# KiCad board GDI-4ch.kicad_pcb (continued)
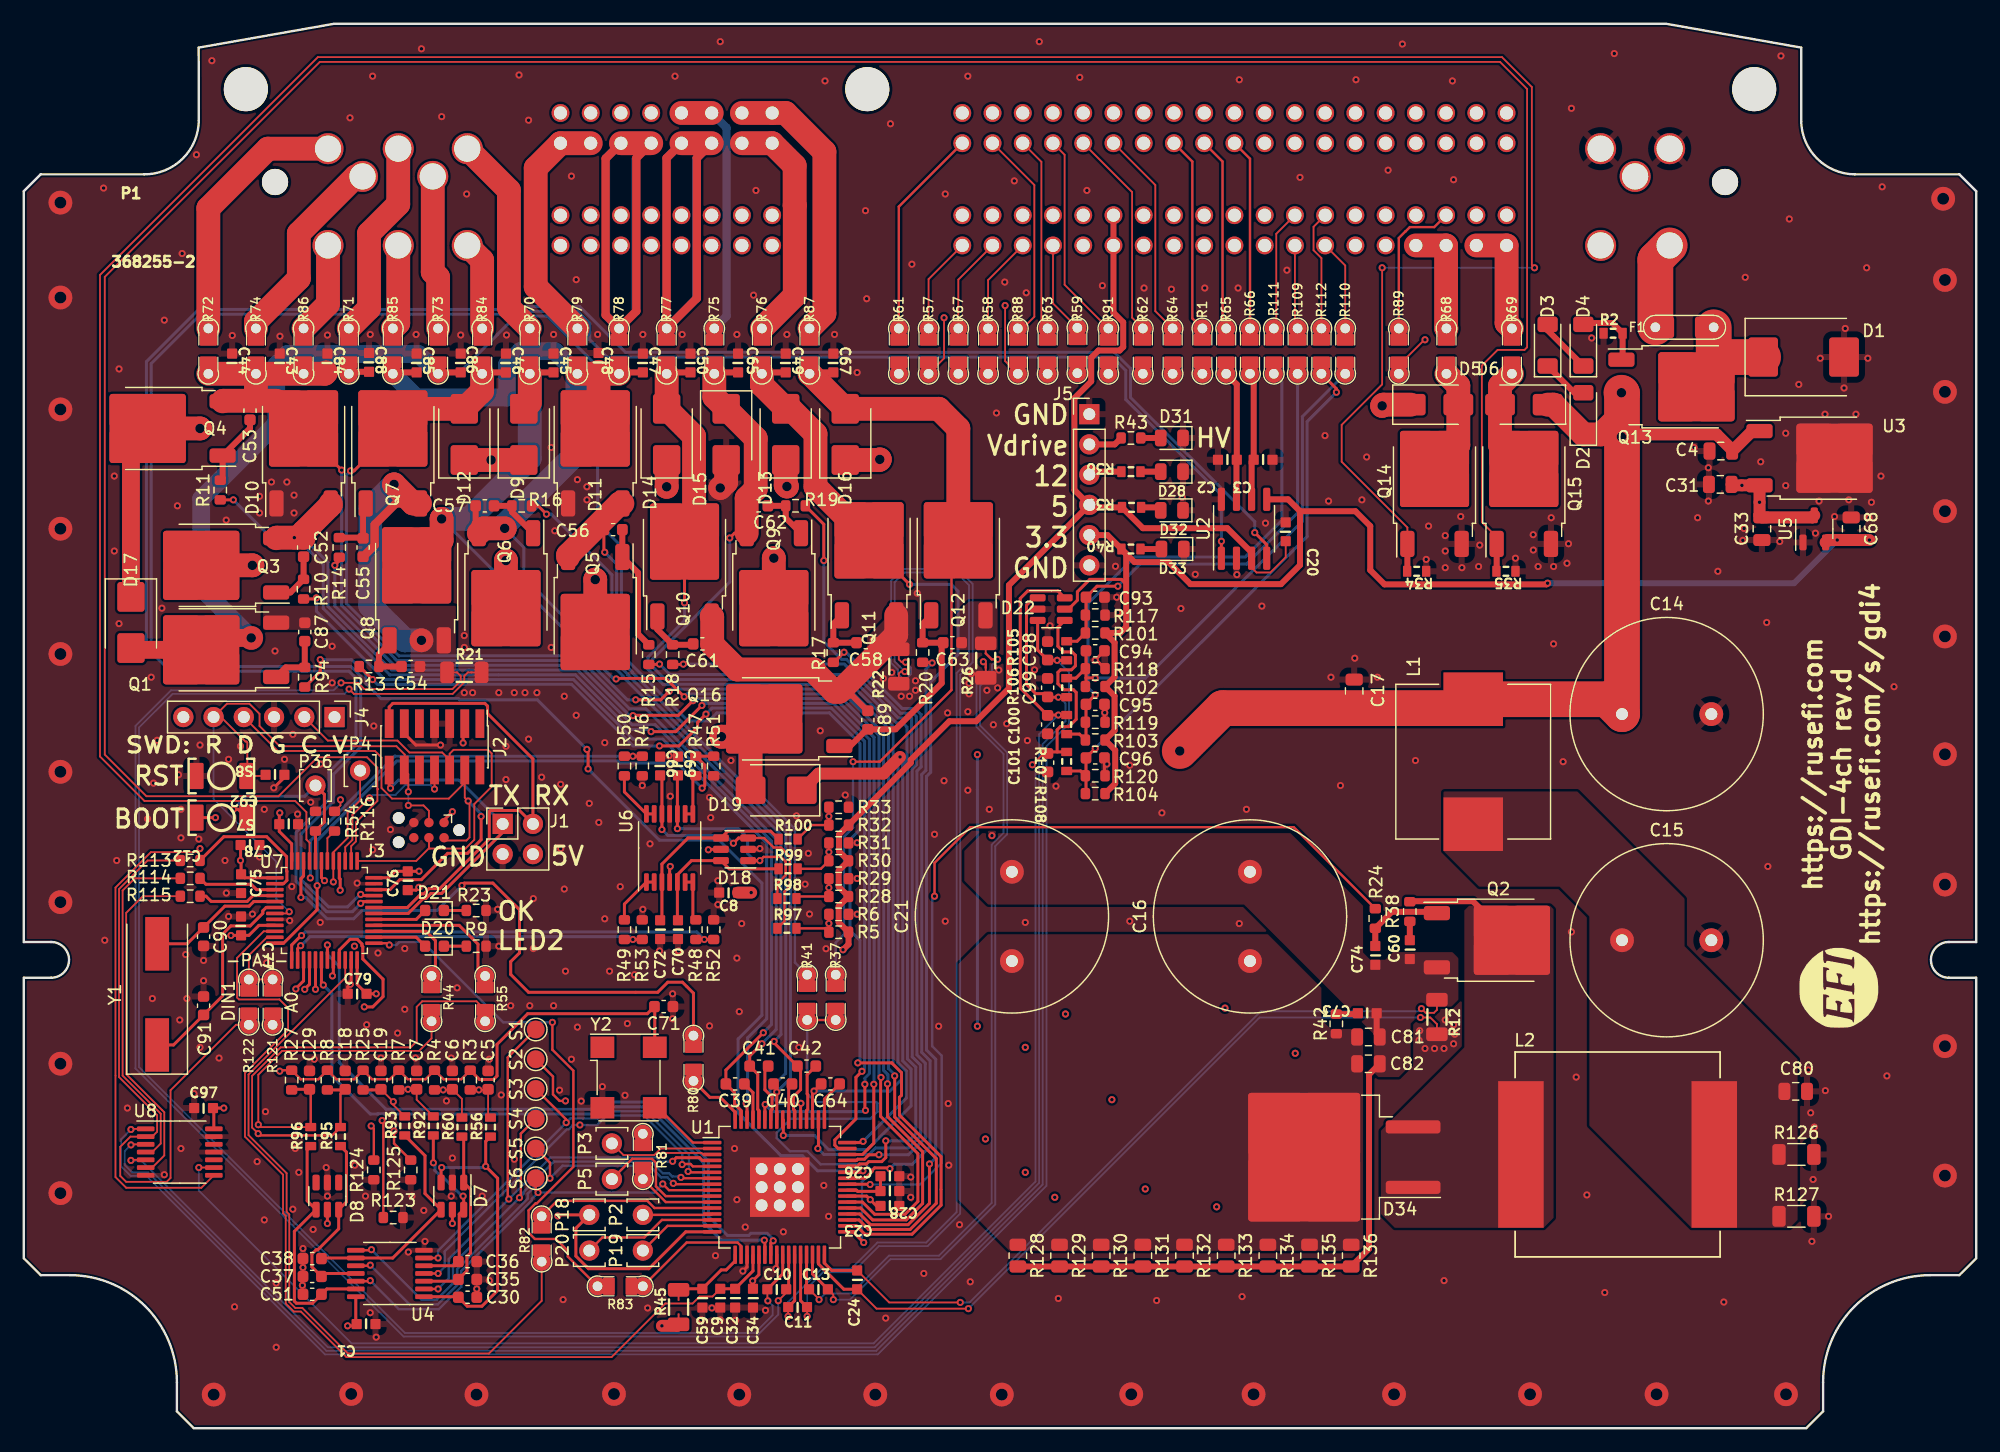
[diagram p0: board, top side]
## Routing (per net, layer and track width the routed paths; a pad name or vN(x,y) marks a point on that pad's centre or on a via; arc(x,y) is an arc through that point) (continued)
/SWO: length 13.8
  Top w0.15: U7.39 27,48.83 27.6,49.43 27.6,51.52 v1(29.04,52.96) ; J2.8 v1(34.5,53.7)
  Bottom w0.15: v1(34.5,53.7) 34.15,54.05 32.06,54.05 31.21,53.2 29.28,53.2 v1(29.04,52.96)
/UART_RX: length 39.9
  Top w0.25: U7.31 32.22,43.75 33.37,44.9 33.6,44.9 34.03,45.33 34.93,45.33 39.1,49.5 39.1,51.8 39.2,51.9 41.64,51.9 J1.2 42.77,56.24 38.95,60.05 38.95,60.67 38.73,60.9 31,60.9 30.69,60.59 J2.13
/UART_TX: length 27.1
  Top w0.25: J2.14 30.69,53.88 v1(30.8,53.77) ; J1.1 40.22,50.06 35.1,44.93 34.2,44.93 33.77,44.5 33.54,44.5 32.29,43.25 U7.30
  Bottom w0.25: v1(30.8,53.77) 31.47,54.45 36.55,54.45 J1.1
/Vdrive_coil: length 10
  Top w0.5: Q2.2 121.72,44.28 116.47,44.28 R38.2
/Vdrive_shunt: length 48.1
  Top w0.5: C82.2 113,29.72 113,15.09 R136.2 R128.2 ; C73.1 113.64,33.13 C81.2
/VSENSE1: length 27
  Top w0.7: C55.1 29.47,74.2 29.47,75.92 31.25,77.7 Q7.3
  Top w2: v3(31.1,79.3) 32.7,77.7 Q7.3
  Bottom w2: v3(33.4,66.2) 32.01,66.2 29.1,69.11 29.1,77.3 v3(31.1,79.3)
/VSENSE2: length 25.9
  Top w0.5: Q16.3 69.26,61.88 70.87,60.28 C89.1
  Top w2: 57.82,66.22 57.82,68.16 Q10.3 ; Q9.3 73.28,66.66 Q16.3 68.09,61.88 66.38,63.59 66.38,63.75 59.93,63.75 57.82,65.85 57.82,65.9
Vdrive: length 270.9
  Top w0.25: U1.48 70.4,24 v1(70.5,24.1)
  Top w0.5: J5.2 91.63,82.66 R43.2
  Top w1: D19.1 66.75,55 72.2,55 v1(73.6,56.4)
  Top w1.5: Q4.2 9,82.6 D17.1
  Top w2: Q6.2 v3(40.5,72.9) ; D9.1 D12.1 ; D13.1 64,79.22 v3(64.1,79.12) ; D14.1 v3(54,79.1) ; Q4.2 v3(14.8,84)
  PWR w1: v1(73.6,56.4) 80.37,49.63 80.37,41.88 C21.1
  PWR w1.5: J5.2 86.94,82.66 86.9,82.7
  PWR w3: C21.1 C16.1 105.65,41.9 105.65,57.1 98.65,64.1 93.17,64.1 86.9,70.37 86.9,82.7 76.46,82.7 73.74,85.41 70.39,85.41 v3(64.1,79.12) 61.58,81.65 56.55,81.65 v3(54,79.1) 51.35,79.1 45.15,72.9 v3(40.5,72.9) 39.35,72.9 37.74,74.51 37.74,79.84 v3(39.25,81.35) 36.6,84 v3(14.8,84)
  Bottom w0.25: v1(73.6,56.4) 73.43,56.23 73.43,30.7 74.13,30 74.13,27.73 v1(70.5,24.1)
Net-(C30-Pad2): length 25.6
  Top w0.25: R56.1 38.8,24.1 v1(38.8,22) 39.8,21 39.8,11.57 38.48,10.25 37.25,10.25 C30.2 36.45,11.05 U4.1 ; D7.3 35.05,21.85 v1(35.1,21.9)
  Bottom w0.25: v1(38.8,22) 38.7,21.9 v1(35.1,21.9)
Net-(C35-Pad2): length 15.7
  Top w0.25: R60.1 36.95,24.35 D7.1 37.52,20.06 37.52,14.72 37.22,14.42 37.22,13.22 C35.2 36.35,12.35 U4.3
Net-(C36-Pad2): length 15
  Top w0.25: v1(36.9,19.5) 36.95,19.45 D7.6 36.57,17.99 36.57,14.07 C36.2 36.15,13.65 U4.5 ; v1(34.4,22.3) R92.1
  Bottom w0.25: v1(34.4,22.3) 34.4,22.26 34.53,22.14 34.53,21.66 34.86,21.33 34.97,21.33 36.8,19.5 v1(36.9,19.5)
Net-(C37-Pad2): length 15.8
  Top w0.25: R95.1 27.1,23.2 27.1,19.01 D8.6 26.45,16.75 24.7,15 24.57,15 24.2,14.63 24.2,13.55 C37.2 25.25,13 U4.11
Net-(C38-Pad2): length 19.3
  Top w0.25: C38.2 25.05,14.3 U4.9 30.99,14.3 D7.4 33.7,19.71 33.7,22.9 R93.1
Net-(C51-Pad2): length 19.9
  Top w0.25: U4.13 25.45,11.7 C51.2 24.25,10.5 22.9,10.5 22.73,10.67 22.73,16.54 D8.4 23.8,19.11 23.8,23.4 R96.1
Net-(C60-Pad2): length 1.6
  Top w0.5: C60.2 R38.1
Net-(C73-Pad2): length 1.8
  Top w0.5: C73.2 111.98,34.8 R42.1
Net-(C98-Pad2): length 145.5
  Top w0.15: v1(9,25.1) 9.05,25.15 U8.1
  Top w0.25: R105.1 v1(86.8,64.52) 86.03,64.52 C98.2 85.16,65.38 D22.3
  Bottom w0.15: v1(9,25.1) 8.18,24.28 8.18,22 8.98,21.2 10.29,21.2 25.29,6.2 71.73,6.2 85.9,20.37 85.9,57.3 87.8,59.2 87.8,63.52 v1(86.8,64.52)
Net-(C99-Pad2): length 146.2
  Top w0.15: v1(9,23.8) 9.05,23.85 U8.3
  Top w0.25: R106.1 v1(86.9,61.42) 86.03,61.42 C99.2 85.72,61.72 85,61.72 84.23,62.49 84.23,69.15 84.85,69.77 D22.1
  Bottom w0.15: v1(9,23.8) 8.48,23.28 8.48,22.12 9.1,21.5 10.42,21.5 25.42,6.5 71.61,6.5 85.58,20.48 85.58,57.48 87.5,59.4 87.5,60.9 86.98,61.42 v1(86.9,61.42)
Net-(C100-Pad2): length 146.4
  Top w0.15: U8.5 9.05,22.55 v1(9,22.5)
  Top w0.25: R107.1 v1(86.9,59.92) 86.03,59.92 C100.2 83.7,62.2 83.7,69.72 84.32,70.34 86.86,70.34 D22.6
  Bottom w0.15: v1(9,22.5) 9.84,22.5 25.54,6.8 71.48,6.8 85.28,20.6 85.28,58.3 v1(86.9,59.92)
Net-(C101-Pad2): length 138.5
  Top w0.15: v1(84.72,55.74) 85.67,56.7 C101.2 ; U8.9 v1(14.7,21.9)
  Top w0.25: C101.2 86.12,56.82 R108.1 ; D22.4 86.87,67.3 86.87,65.7 87.34,65.22 88.06,65.22 88.33,64.94 88.33,64.05 88,63.72 87.08,63.72 86.87,63.5 86.87,62.55 87.38,62.04 88.18,62.04 88.4,61.82 88.4,59.56 87.78,58.94 87.07,58.94 86.8,58.68 86.8,56.82
  Bottom w0.15: v1(84.72,55.74) 84.98,55.48 84.98,20.73 71.38,7.13 27.53,7.13 14.7,19.96 v1(14.7,21.9)
Net-(D1-A1): length 12.2
  Top w3: D1.1 143,90 Q13.2 141.95,88.95 F1.2
Net-(D2-A): length 3.9
  Top w0.5: D3.1 130.25,87 D2.2
Net-(D3-A): length 4.7
  Top w0.5: D4.1 128,92.25 D3.2
Net-(D4-A): length 6
  Top w0.5: Q13.1 134.3,89.88 R2.2 133.44,92.86 131.11,92.86 D4.2
Net-(D20-A): length 4.6
  Top w0.25: U7.26 32.96,41.25 D20.2
Net-(D20-K): length 1.9
  Top w0.25: D20.1 R9.1
Net-(D21-K): length 1.9
  Top w0.25: D21.1 R23.2
Net-(D28-A): length 1.7
  Top w0.5: D28.2 R36.1
Net-(D31-A): length 1.7
  Top w0.5: R43.1 D31.2
Net-(D32-A): length 1.8
  Top w0.5: R39.1 95.25,77.37 D32.2
Net-(D33-A): length 1.8
  Top w0.5: R40.1 D33.2
Net-(F1-Pad1): length 7.4
  Top w3: F1.1 137.05,98.18 P1.4
Net-(P1-Pad6): length 8.1
  Top w0.15: R57.1 76,96.55 P1.6
Net-(P1-Pad7): length 8.2
  Top w0.15: P1.7 78.5,96.51 R67.1
Net-(P1-Pad8): length 8.2
  Top w0.15: R58.1 81,96.47 P1.8
Net-(P1-Pad9): length 7.8
  Top w0.15: R59.1 86.45,94.5 P1.9
Net-(P1-Pad17): length 7.1
  Top w0.15: P1.17 106.77,92.63 R109.1
Net-(P1-Pad18): length 7.7
  Top w0.15: P1.18 111,97.69 R110.1
Net-(P1-Pad21): length 9.5
  Top w2: P1.21 P1.22 119.47,92.43 R68.1
Net-(P1-Pad23): length 9.7
  Top w2: P1.23 P1.24 124.55,92.85 R69.1
Net-(P1-Pad36): length 10.2
  Top w0.15: P1.36 105.21,100.35 105.21,92.61 R111.1
Net-(P1-Pad37): length 10.2
  Top w0.15: P1.37 108.34,100.94 108.34,98.97 109,98.31 R112.1
Net-(P1-Pad44): length 17.8
  Top w0.2: P1.44 73.5,102.64 R61.1
Net-(P1-Pad46): length 17.4
  Top w0.15: P1.46 85.48,106.4 85.48,91.97 R63.1
Net-(P1-Pad48): length 17.6
  Top w0.15: R62.1 93.1,93.31 93.1,103.86 P1.48
Net-(P1-Pad49): length 17.6
  Top w0.15: P1.49 95.05,104.45 95.05,93.86 R64.1
Net-(P1-Pad51): length 16.6
  Top w0.2: P1.51 98.15,106.43 98.15,93.25 R1.1
Net-(P1-Pad52): length 16.3
  Top w0.2: R65.1 100.69,92.71 100.69,106.43 P1.52
Net-(P1-Pad53): length 16.1
  Top w0.2: R66.1 103,106.66 P1.53
Net-(Q1-G): length 4.9
  Top w0.5: Q1.1 22,63.93 R94.2 C87.2
Net-(Q2-G): length 7.3
  Top w0.5: Q2.1 118.6,43.38 114.91,43.38 R24.1 C74.2
Net-(Q3-G): length 4.7
  Top w0.5: Q3.1 22.39,70.22 R10.2 C52.2
Net-(Q3-S): length 84.5
  Top w0.25: U1.63 60.25,26.69 59.7,27.24 59.7,28.2 C39.2 58.97,30.09 v1(62.11,33.23)
  Top w2: Q3.3 21.24,74.82 v1(22.72,74.82) 23.5,74.82 23.5,75.3 25.78,77.58 D10.3
  Bottom w0.25: v1(62.11,33.23) 62.8,33.91 62.8,49.33 53.03,59.1 51.1,59.1 46.5,63.7 37.4,63.7 37.4,63.7 30.9,63.7 25.55,69.05 25.55,72.74 23.46,74.82 v1(22.72,74.82)
Net-(Q4-G): length 6.1
  Top w0.5: C53.2 19,84.02 Q4.1 16.7,79.85 R11.2
Net-(Q5-G): length 10.6
  Top w0.5: C56.2 50.28,73.21 Q5.1 51.6,71.88 51.6,66.73 R15.2
Net-(Q5-S): length 63.9
  Top w0.25: v1(48.8,73.6) 48.72,73.68 C56.1 ; U1.57 63.25,28.65 C40.2
  Top w2: Q5.3 45.72,73.36 50.06,77.7 D11.3
  Bottom w0.25: v1(63.25,28.25) 64.4,29.4 64.4,50.2 51.13,63.47 51.13,63.52 49.8,64.85 49.8,72.6 v1(48.8,73.6)
Net-(Q6-G): length 4.5
  Top w0.5: C57.2 R16.2 41,76.98 Q6.1
Net-(Q7-G): length 5
  Top w0.5: Q7.1 28.5,77.48 C55.2 28.45,74.83 R14.2
Net-(Q8-G): length 4.5
  Top w0.5: C54.2 R13.2 29.83,65.03 30.72,65.92 Q8.1
Net-(Q9-G): length 4.5
  Top w0.5: C58.2 R17.2 68,67.58 Q9.1
Net-(Q10-G): length 4.7
  Top w0.5: Q10.1 53.22,67.11 R18.2 56.15,65.83 C61.2
Net-(Q11-G): length 4.3
  Top w0.5: C62.2 R19.2 64,76.48 Q11.1
Net-(Q12-G): length 18.6
  Top w0.5: Q12.1 75.5,67.58 R20.2 C63.2 77.1,65.88 77.1,62.6 73.22,58.73 C89.2 70.82,58.73 69.42,57.32 Q16.1
Net-(U1-B_HS1): length 3.3
  Top w0.25: C39.1 61.25,28.2 U1.61
Net-(U1-B_HS2): length 4.9
  Top w0.25: U1.58 62.75,26.69 62.85,26.79 62.85,27.84 62.25,28.44 62.25,30.15 C41.1
Net-(U1-B_HS3): length 3.1
  Top w0.25: C40.1 64.25,28.65 U1.55
Net-(U1-B_HS4): length 4.9
  Top w0.25: U1.52 65.75,26.69 65.85,26.79 65.85,28.04 65.8,28.09 65.8,29.7 C42.1
Net-(U1-B_HS5): length 3.5
  Top w0.25: C64.1 67.25,27.65 U1.49
Net-(U1-D_LS6): length 42.5
  Top w0.2: R37.2 R41.2
  Top w0.25: v1(70.55,15.6) 69.65,16.5 U1.33
  Bottom w0.2: R41.2 65.8,28.1 66.5,27.4 71.6,27.4 71.7,27.3 71.7,26.6 71.1,26 64.42,26 63.25,24.83 63.25,24.37 64.35,23.27 65.83,23.27 66.92,22.18 70.72,22.18 71.2,21.7 71.2,21.5 70.4,20.7 70.4,15.75 v1(70.55,15.6)
Net-(U1-DBG): length 10.6
  Top w0.2: U1.18 60.25,15.31 59.96,15.6 55.67,15.6 R83.1
Net-(U1-FLAG1): length 6.6
  Top w0.2: U1.11 53.92,19 R81.1
Net-(U1-FLAG2): length 15.1
  Top w0.2: U1.12 52.98,18.5 52.38,19.1 44.8,19.1 R82.1
Net-(U1-G_HS1): length 72.1
  Top w0.25: v1(60.68,27.3) 60.75,27.23 U1.62 ; v1(24.58,69.77) 24.48,69.68 R10.1
  Bottom w0.25: v1(60.68,27.3) 60.8,27.42 60.8,32.8 62.4,34.4 62.4,49.17 53.67,57.9 51.17,57.9 46.17,62.9 30.32,62.9 24.58,68.65 v1(24.58,69.77)
Net-(U1-G_HS2): length 108.6
  Top w0.25: v1(70.65,28.9) 70.65,26.75 v1(70.7,26.7) ; v1(52.69,58.53) 54.76,58.53 v1(56.96,60.73) ; U1.59 62.25,27.17 v1(62.28,27.2) ; R11.1 v1(17.6,78)
  Bottom w0.25: v1(17.6,78) 21.3,74.3 22.3,74.3 22.35,74.25 23.47,74.25 25.15,72.57 25.15,68.88 30.73,63.3 33.6,63.3 33.6,63.3 46.33,63.3 50.93,58.7 52.8,58.7 52.8,58.64 v1(52.69,58.53) ; v1(56.96,60.73) 57.14,60.9 68,60.9 71.03,57.87 71.03,29.8 70.65,29.42 v1(70.65,28.9) ; v1(70.7,26.7) 70.6,26.6 62.88,26.6 v1(62.28,27.2)
Net-(U1-G_HS3): length 70.2
  Top w0.25: v1(63.8,24.6) 63.8,25.88 U1.56 ; v1(53.4,64.2) 53.38,64.18 R15.1
  Bottom w0.25: v1(63.8,24.6) 66.41,24.6 67.61,23.4 70.85,23.4 74.53,27.08 74.53,30.17 73.83,30.87 73.83,55.72 74.18,56.07 74.18,58.92 73.84,59.26 73.31,59.26 69.24,63.33 56.5,63.33 54.27,63.33 v1(53.4,64.2)
Net-(U1-G_HS4): length 63.7
  Top w0.25: v1(65.28,27.3) 65.25,27.27 U1.53 ; R16.1 43.2,77.5 v1(43.9,76.8)
  Bottom w0.25: v1(65.28,27.3) 63.39,27.3 62.68,28.01 62.68,28.49 64,29.81 64,50.03 50.73,63.31 50.73,63.36 49.4,64.68 49.4,71.7 44.3,76.8 v1(43.9,76.8)
Net-(U1-G_HS5): length 70
  Top w0.25: U1.50 66.75,23.55 v1(66.7,23.5) ; v1(67.2,72.9) 67.2,75.95 R19.1
  Bottom w0.25: v1(67.2,72.9) 67.2,66.09 68.69,64.6 69.1,64.6 73.62,60.07 74.7,60.07 74.98,59.79 74.98,55.74 74.63,55.39 74.63,31.2 75.33,30.5 75.33,24.56 74.32,23.55 71.56,23.55 71.01,23 67.2,23 v1(66.7,23.5)
Net-(U1-G_LS1): length 84.1
  Top w0.25: v1(57.3,60) 56.6,59.3 56.6,58.9 55.03,57.33 v1(53.4,57.33) ; v1(29.3,62.9) 28.2,64 R13.1 ; U1.47 68.41,23.5 68.13,23.78 68.13,24.22 69.9,25.99 69.9,29.48 v1(70.41,29.99)
  Bottom w0.25: v1(70.41,29.99) 70.63,30.21 70.63,57.71 67.84,60.5 57.8,60.5 v1(57.3,60) ; v1(29.3,62.9) 29.7,62.5 46,62.5 51.18,57.33 v1(53.4,57.33)
Net-(U1-G_LS2): length 92
  Top w0.25: v1(51.17,59.87) 51.2,59.9 54.99,59.9 v1(56.21,61.13) ; U1.46 70.45,23 71.4,23.95 71.4,28.9 v1(71.4,28.9) ; v1(26.13,72.5) 26.5,72.87 R14.1
  Bottom w0.25: v1(71.4,28.9) 71.43,28.93 71.43,58.04 68.17,61.3 56.39,61.3 v1(56.21,61.13) ; v1(26.13,72.5) 26.13,69.07 31.1,64.1 46.66,64.1 50.9,59.87 v1(51.17,59.87)
Net-(U1-G_LS3): length 53.2
  Top w0.25: v1(71.83,22.98) 70.99,22.98 70.62,22.6 70.04,22.6 69.94,22.5 U1.45 ; v1(68.9,65.2) 68.05,64.35 R17.1
  Bottom w0.25: v1(71.83,22.98) 74.31,22.98 75.73,24.39 75.73,30.67 75.03,31.37 75.03,55.22 75.38,55.57 75.38,59.96 74.86,60.47 73.79,60.47 69.06,65.2 v1(68.9,65.2)
Net-(U1-G_LS4): length 65
  Top w0.25: v1(55.4,64.2) 55.38,64.18 R18.1 ; v1(72.41,24.14) 72.41,22.74 72.07,22.4 70.98,22.4 70.78,22.2 70.21,22.2 70.01,22 U1.44
  Bottom w0.25: v1(55.4,64.2) 68.93,64.2 73.46,59.67 74.53,59.67 74.58,59.63 74.58,55.9 74.23,55.55 74.23,31.03 74.93,30.33 74.93,24.72 74.35,24.14 v1(72.41,24.14)
Net-(U1-G_LS5): length 83.1
  Top w0.25: v1(70.49,21.63) 70.37,21.5 U1.43 ; v1(24.9,64.57) 24.9,63.58 23.6,62.28 ; v1(47.4,55.4) 47.4,56.94 v1(47.3,57.04)
  Bottom w0.25: v1(24.9,64.57) 27.53,64.57 28.73,63.37 28.73,62.57 30,61.3 36.5,61.3 36.6,61.2 43.14,61.2 v1(47.3,57.04) ; v1(70.49,21.63) 66.67,21.63 65.4,22.9 63.6,22.9 60,26.5 60,32.7 62,34.7 62,45.8 58.4,49.4 53.4,49.4 v1(47.4,55.4)
Net-(U1-G_LS6): length 50.3
  Top w0.25: v1(76.3,64.3) 76.25,64.35 R20.1 ; U1.42 70.68,21 71.26,21.58 71.26,21.66 71.47,21.87 72.68,21.87 v1(72.75,21.8)
  Bottom w0.25: v1(76.3,64.3) 75.78,63.78 75.78,55.28 75.43,54.93 75.43,31.57 76.13,30.87 76.13,23.66 74.64,22.18 73.12,22.18 v1(72.75,21.8)
Net-(U1-G_LS7): length 75.4
  Top w0.2: v1(76.5,44.7) 76.5,47.5 79.5,50.5 106.68,50.5 R24.2
  Top w0.25: 71.06,20.5 U1.41
  Bottom w0.2: v1(76.5,44.7) 76.3,44.5 76.3,32.1 77.1,31.3 77.1,22.3 75.27,20.47 v1(71.09,20.47)
Net-(U1-IRQ): length 5.2
  Top w0.25: U1.64 59.75,26.55 58.5,27.8 57.62,27.8 R80.1
Net-(U1-VCCIO): length 6.3
  Top w0.25: U1.17 59.75,14.05 59,13.3 58.58,13.3 C59.2 55.09,11.72 R45.4
Net-(U1-VSENSEN1): length 127.9
  Top w0.15: v1(27.33,62.1) 27.73,61.7 36.02,61.7 37,62.68 37,63.2 37.3,63.5 R21.3 ; v1(62.5,10.7) 62.46,10.74 C10.1
  Top w0.25: C10.1 63.75,12.97 U1.25
  Bottom w0.15: v1(62.5,10.7) 62.9,10.3 62.9,9.5 61.4,8 32.02,8 9.68,30.35 9.68,58.88 12.5,61.7 26.92,61.7 v1(27.33,62.1)
Net-(U1-VSENSEN2): length 92.5
  Top w0.15: v1(64.2,9.4) 64.2,10.17 C11.1 ; v1(74,63.57) 73.67,63.57 R22.3
  Top w0.25: U1.27 64.75,10.72 C11.1
  Bottom w0.15: v1(64.2,9.4) 64.2,10.6 67,13.4 69.5,13.4 71.7,15.6 75.8,15.6 78.35,18.15 78.35,63.45 79.4,64.5 79.4,70.83 78.33,71.9 73.97,71.9 73.15,71.08 73.15,64.42 v1(74,63.57)
Net-(U1-VSENSEN3): length 69.9
  Top w0.15: C13.1 66.8,10.84 v1(66.8,10.8)
  Top w0.2: R26.3 80.8,64.2 v1(80.6,64.4)
  Top w0.25: U1.29 65.75,11.88 C13.1
  Bottom w0.15: v1(66.8,10.8) 67.32,11.32 69.5,11.32 72.68,14.5 76.88,14.5 81.3,18.92 81.3,49.03 82.3,50.02 82.3,56.65 80.03,58.92 80.03,62.48 80.8,63.26 80.8,64.2 v1(80.6,64.4)
Net-(U1-VSENSEN4): length 64.6
  Top w0.15: C24.1 71.63,10.04 v1(79.34,10.04) ; v1(117.32,34.51) 118.14,34.51 R12.3
  Top w0.25: U1.31 66.75,13.81 68.88,11.68 C24.1
  Bottom w0.15: v1(117.32,34.51) 103.81,34.51 v1(79.34,10.04)
Net-(U1-VSENSEP1): length 128.4
  Top w0.15: v1(26.65,62.63) 28.07,62.63 28.6,62.1 36,62.1 36.7,62.8 36.7,63.2 R21.2 ; v1(63.37,10.71) 64.04,11.38 C10.2
  Top w0.25: U1.26 64.25,11.88 C10.2
  Bottom w0.15: v1(26.65,62.63) 26.02,62 12.38,62 9.38,59 9.38,30.22 31.9,7.7 61.52,7.7 63.37,9.55 v1(63.37,10.71)
Net-(U1-VSENSEP2): length 95.6
  Top w0.15: R22.2 73.74,64.36 v1(74.06,64.36) ; C11.2 65.8,10.17 v1(65.8,9.4)
  Top w0.25: C11.2 65.25,10.72 U1.28
  Bottom w0.15: v1(65.8,9.4) 65.8,11.78 67.12,13.1 69.62,13.1 71.82,15.3 75.92,15.3 78.65,18.03 78.65,63.3 79.7,64.35 79.7,70.95 78.45,72.2 73.85,72.2 72.85,71.2 72.85,64.3 73.42,63.73 73.42,63.4 73.77,63.05 74.22,63.05 74.52,63.36 74.52,63.9 v1(74.06,64.36)
Net-(U1-VSENSEP3): length 70.4
  Top w0.15: C13.2 68,11.22 v1(68,10.8)
  Top w0.2: v1(81.8,64.6) 81.3,64.6 R26.2
  Top w0.25: C13.2 66.25,12.97 U1.30
  Bottom w0.15: v1(81.8,64.6) 81.32,64.12 81.32,63.36 80.33,62.36 80.33,59.05 82.6,56.77 82.6,49.9 81.6,48.9 81.6,18.8 77,14.2 72.8,14.2 69.4,10.8 v1(68,10.8)
Net-(U1-VSENSEP4): length 64
  Top w0.15: v1(78.66,10.57) 72.69,10.57 C24.2 ; v1(117.4,35.25) 117.76,34.9 118.45,34.9 R12.2
  Top w0.25: C24.2 67.87,13.26 67.25,13.87 U1.32
  Bottom w0.15: v1(78.66,10.57) 79.44,10.57 103.91,35.03 117.18,35.03 v1(117.4,35.25)
Net-(U6A-+): length 16
  Top w0.25: R100.1 62.74,50.16 59.14,50.16 D18.4 55.79,49.59 53.6,47.4 U6.3 53.6,42.83 C72.2
Net-(U6A--): length 4.6
  Top w0.25: U6.2 U6.1 50.45,44.04 R49.2
Net-(U6B-+): length 13.1
  Top w0.25: R99.1 59.25,47 D18.6 56.08,47.69 54.9,46.5 U6.5 54.9,42.73 C70.2
Net-(U6B--): length 3.9
  Top w0.25: U6.6 U6.7 56.2,42.96 R48.2
Net-(U6C-+): length 20.2
  Top w0.2: v1(61.83,47.69) 62.14,48 63.6,48 64,47.6 64,46.48 63.3,45.78 R98.1
  Top w0.25: v1(54.9,50.37) U6.10 54.9,54.8 C69.2 ; v1(61.83,47.69) D18.1
  Bottom w0.25: v1(54.9,50.37) 60.03,50.37 60.8,49.6 60.8,48.29 61.4,47.69 v1(61.83,47.69)
Net-(U6C--): length 4
  Top w0.25: U6.9 U6.8 56.2,54.56 R47.2
Net-(U6D-+): length 23.1
  Top w0.2: R97.1 63.9,42.6 63.9,45.09 64.35,45.54 64.35,48.04 63.6,48.79 62.99,48.79 62.19,49.59 D18.3
  Top w0.25: v1(59.6,49.15) 60.04,49.59 D18.3 ; v1(53.6,50.3) U6.12 53.6,54.7 C66.2
  Bottom w0.25: v1(53.6,50.3) 54.1,49.8 58.95,49.8 v1(59.6,49.15)
Net-(U6D--): length 4.6
  Top w0.25: U6.13 U6.14 50.45,53.46 R46.2
Net-(U7-PA1): length 6.8
  Top w0.15: R121.1 R122.1 18.9,39.72 20.43,41.25 U7.11
Net-(U7-PB6): length 2.8
  Top w0.15: R116.2 25.5,49.58 U7.42
Net-(U7-PB14): length 8.6
  Top w0.25: R44.2 34.58,38.33 34.58,40.96 33.79,41.75 U7.27
Net-(U7-PB15): length 12.3
  Top w0.25: R55.2 38.15,38.6 38.15,40.67 36.57,42.25 U7.28
Net-(U7-PC13): length 11.9
  Top w0.25: U7.2 21.82,45.75 22.1,46.03 22.1,46.8 22.08,46.82 22.08,48.02 20.4,49.7 16.8,49.7 R113.1
Net-(U7-PC14): length 6.7
  Top w0.25: U7.3 19.55,45.25 19.1,45.7 15.3,45.7 R114.1
Net-(U7-PC15): length 6.7
  Top w0.25: U7.4 19.25,44.75 18.76,44.26 15.74,44.26 15.3,44.7 R115.1
Net-(U7-PD0): length 11.4
  Top w0.25: U7.5 19.32,44.25 18.93,43.86 16.89,43.86 C90.1 13.72,40.7 Y1.2
Net-(U7-PD1): length 17.8
  Top w0.25: U7.6 20.36,43.75 20.08,43.47 20.08,43.26 19.01,42.2 17.39,42.2 16.7,41.51 16.7,36.33 C91.1 12.58,32.2 Y1.1

## Copper pours and planes (outline as drawn; the poured copper is in the pictures)
GND on Top, Bottom, GND, PWR: 164,0 0,0 0,118 164,118
/+Batt_filtered on Top: 119.25,48.5 122.25,45.5 129,45.5 131.5,43 131.5,25.43 140.09,16.84 148.34,16.84 149,17.5 149,31 139.5,40.5 139.5,44.5 130.5,53.5 119.25,53.5
/Vdrive_coil on Top: 127.67,16.84 128.5,17.67 128.5,43.6 128.2,43.9 121.4,43.9 121,43.5 121,32 114,25 114,18 115.16,16.84
/Vdrive_shunt on Top: 113.4,33.1 102.5,44 81,44 79,46 79,48.5 80.5,50 106.4,50 112.5,43.9 112.5,39.96 113.1,39.36 114.36,39.36 115,40 120,40 120.5,39.5 120.5,36 119.93,35.43 117.93,35.43 116.5,34 116.5,30.5 115.5,29.5 113.8,29.5 113.4,29.9
/VSENSE1 on Top: 36.29,62.9 35.89,62.5 32.8,62.5 32.5,62.8 32.5,67.08 20.1,67.08 20.1,69.1 36.29,69.1
/VSENSE2 on Top: 74.9,64.88 70.82,64.88 70.82,66.48 73.75,69.4 74.9,69.4
Vdrive on Top: 82.8,14.9 78.5,19.2 78.5,39 81,41.5 104.5,41.5 109,37 109,34.32 109.78,33.55 112.45,33.55 112.5,33.6 112.5,15.2 112.2,14.9
Net-(Q12-S) on Top: 81.8,65.38 78.32,65.38 78.32,68.4 79.4,69.48 81.8,69.48

## Text on the board
B.Silkscreen: Always looking for C/C++/PHP/Java developers / https://rusefi.com/s/mission | BOOT0 | RESETB | RX TX | 5V GND | DRVEN | FLAG0 | DBG | IRQ | CSB SCLK | MISO MOSI | GND | INJ5_P | INJ1_P | INJ2_P | INJ6_N | INJ6_P | INJ5_N | INJ2_N | FLAG2 | INJ1_N | INJ4_P | INJ3_P | INJ4_N | FLAG1 | PUMP_P | INJ3_N | PUMP_N | IN_INJ1 | A0 | A1 | A2 | IN_INJ5 | IN_INJ3 | A3 | 5V | IN_INJ6 | IN_INJ2 | IN_INJ4 | +12V_ECU | CANH | CANL | IN_PUMP2 | IN_PUMP1 | LS2 | LS1 | +12V | SWD: / Not Connected / nReset / SWDIO / GND / SWCLK / 3.3V
F.Silkscreen: -PA1- | DIN1 | A0 | https://rusefi.com / GDI-4ch rev.d / https://rusefi.com/s/gdi4 | SWD: R D G C V | BOOT | RST | GND | TX RX | OK / LED2 | 5V | HV | GND / Vdrive / 12 / 5 / 3.3 / GND
